# Altium PCB CompleteController.PcbDoc
Units mil, origin at the board's own origin, x right, y up, seen from the top; angles counter-clockwise.
Board outline 9536.38 x 6486.38 mil, 2 copper layers (Top Layer, Bottom Layer); 219 components, 105 nets, 624 pads, 0 vias.
Unrouted connection lines stored in the file: 439.
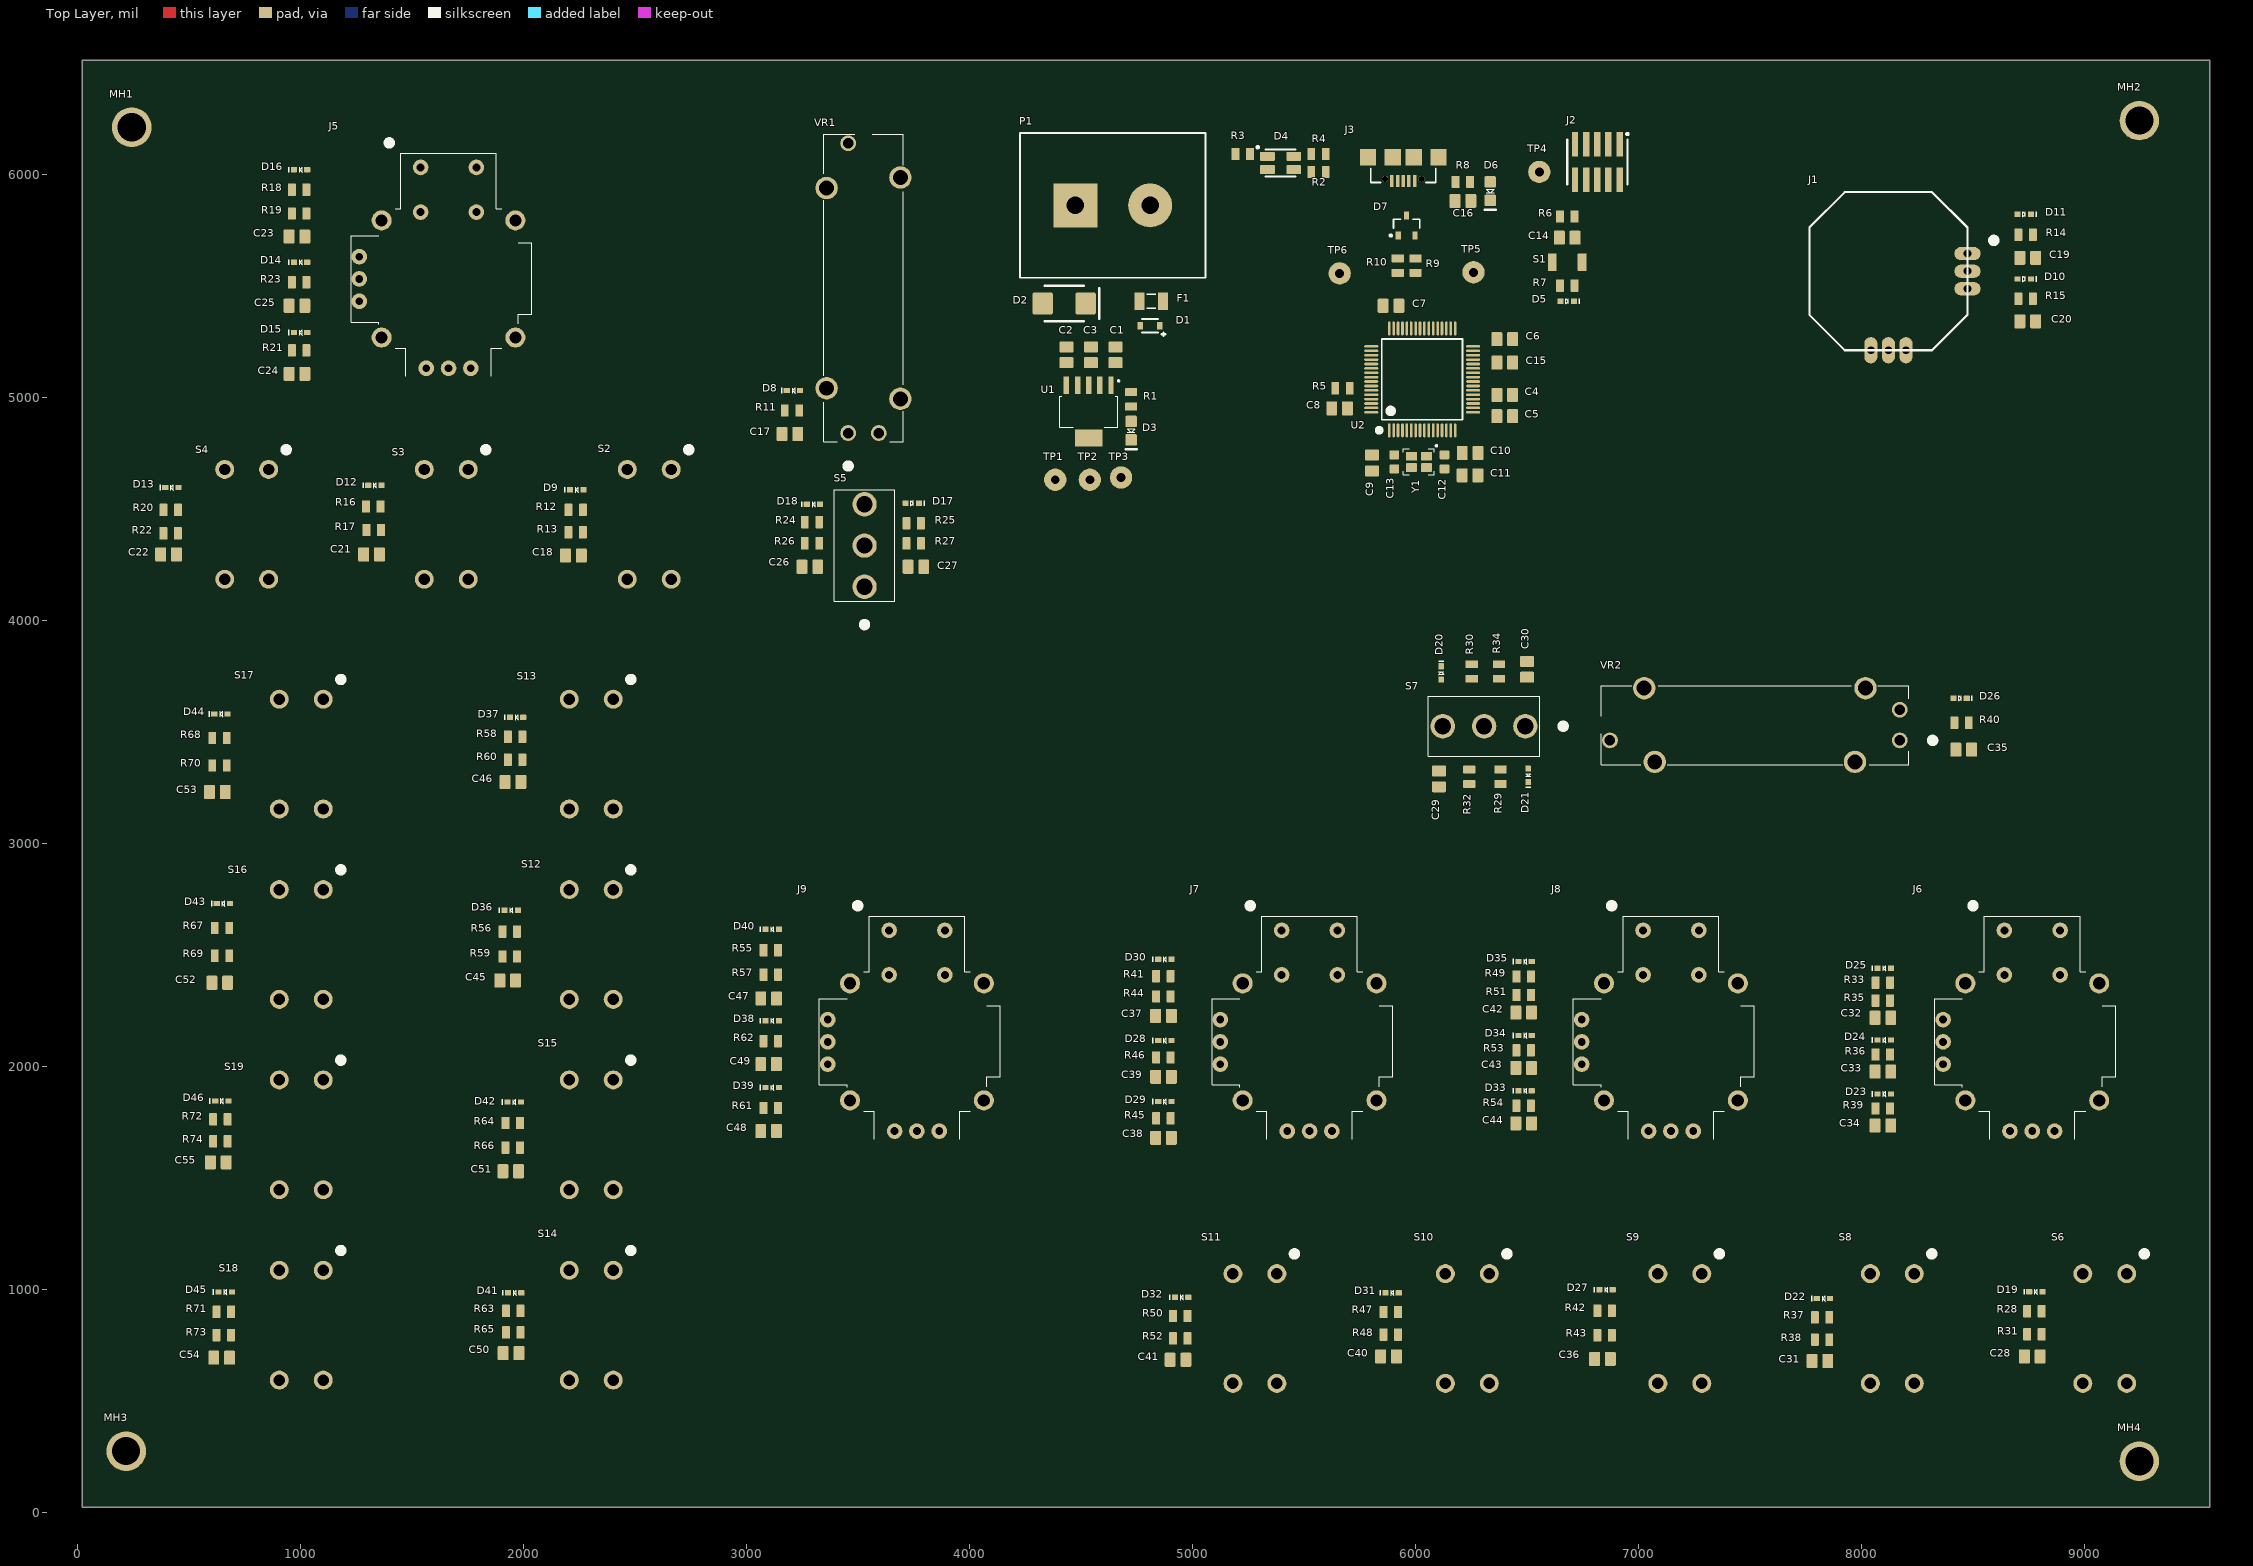
[diagram p0: Top Layer view]
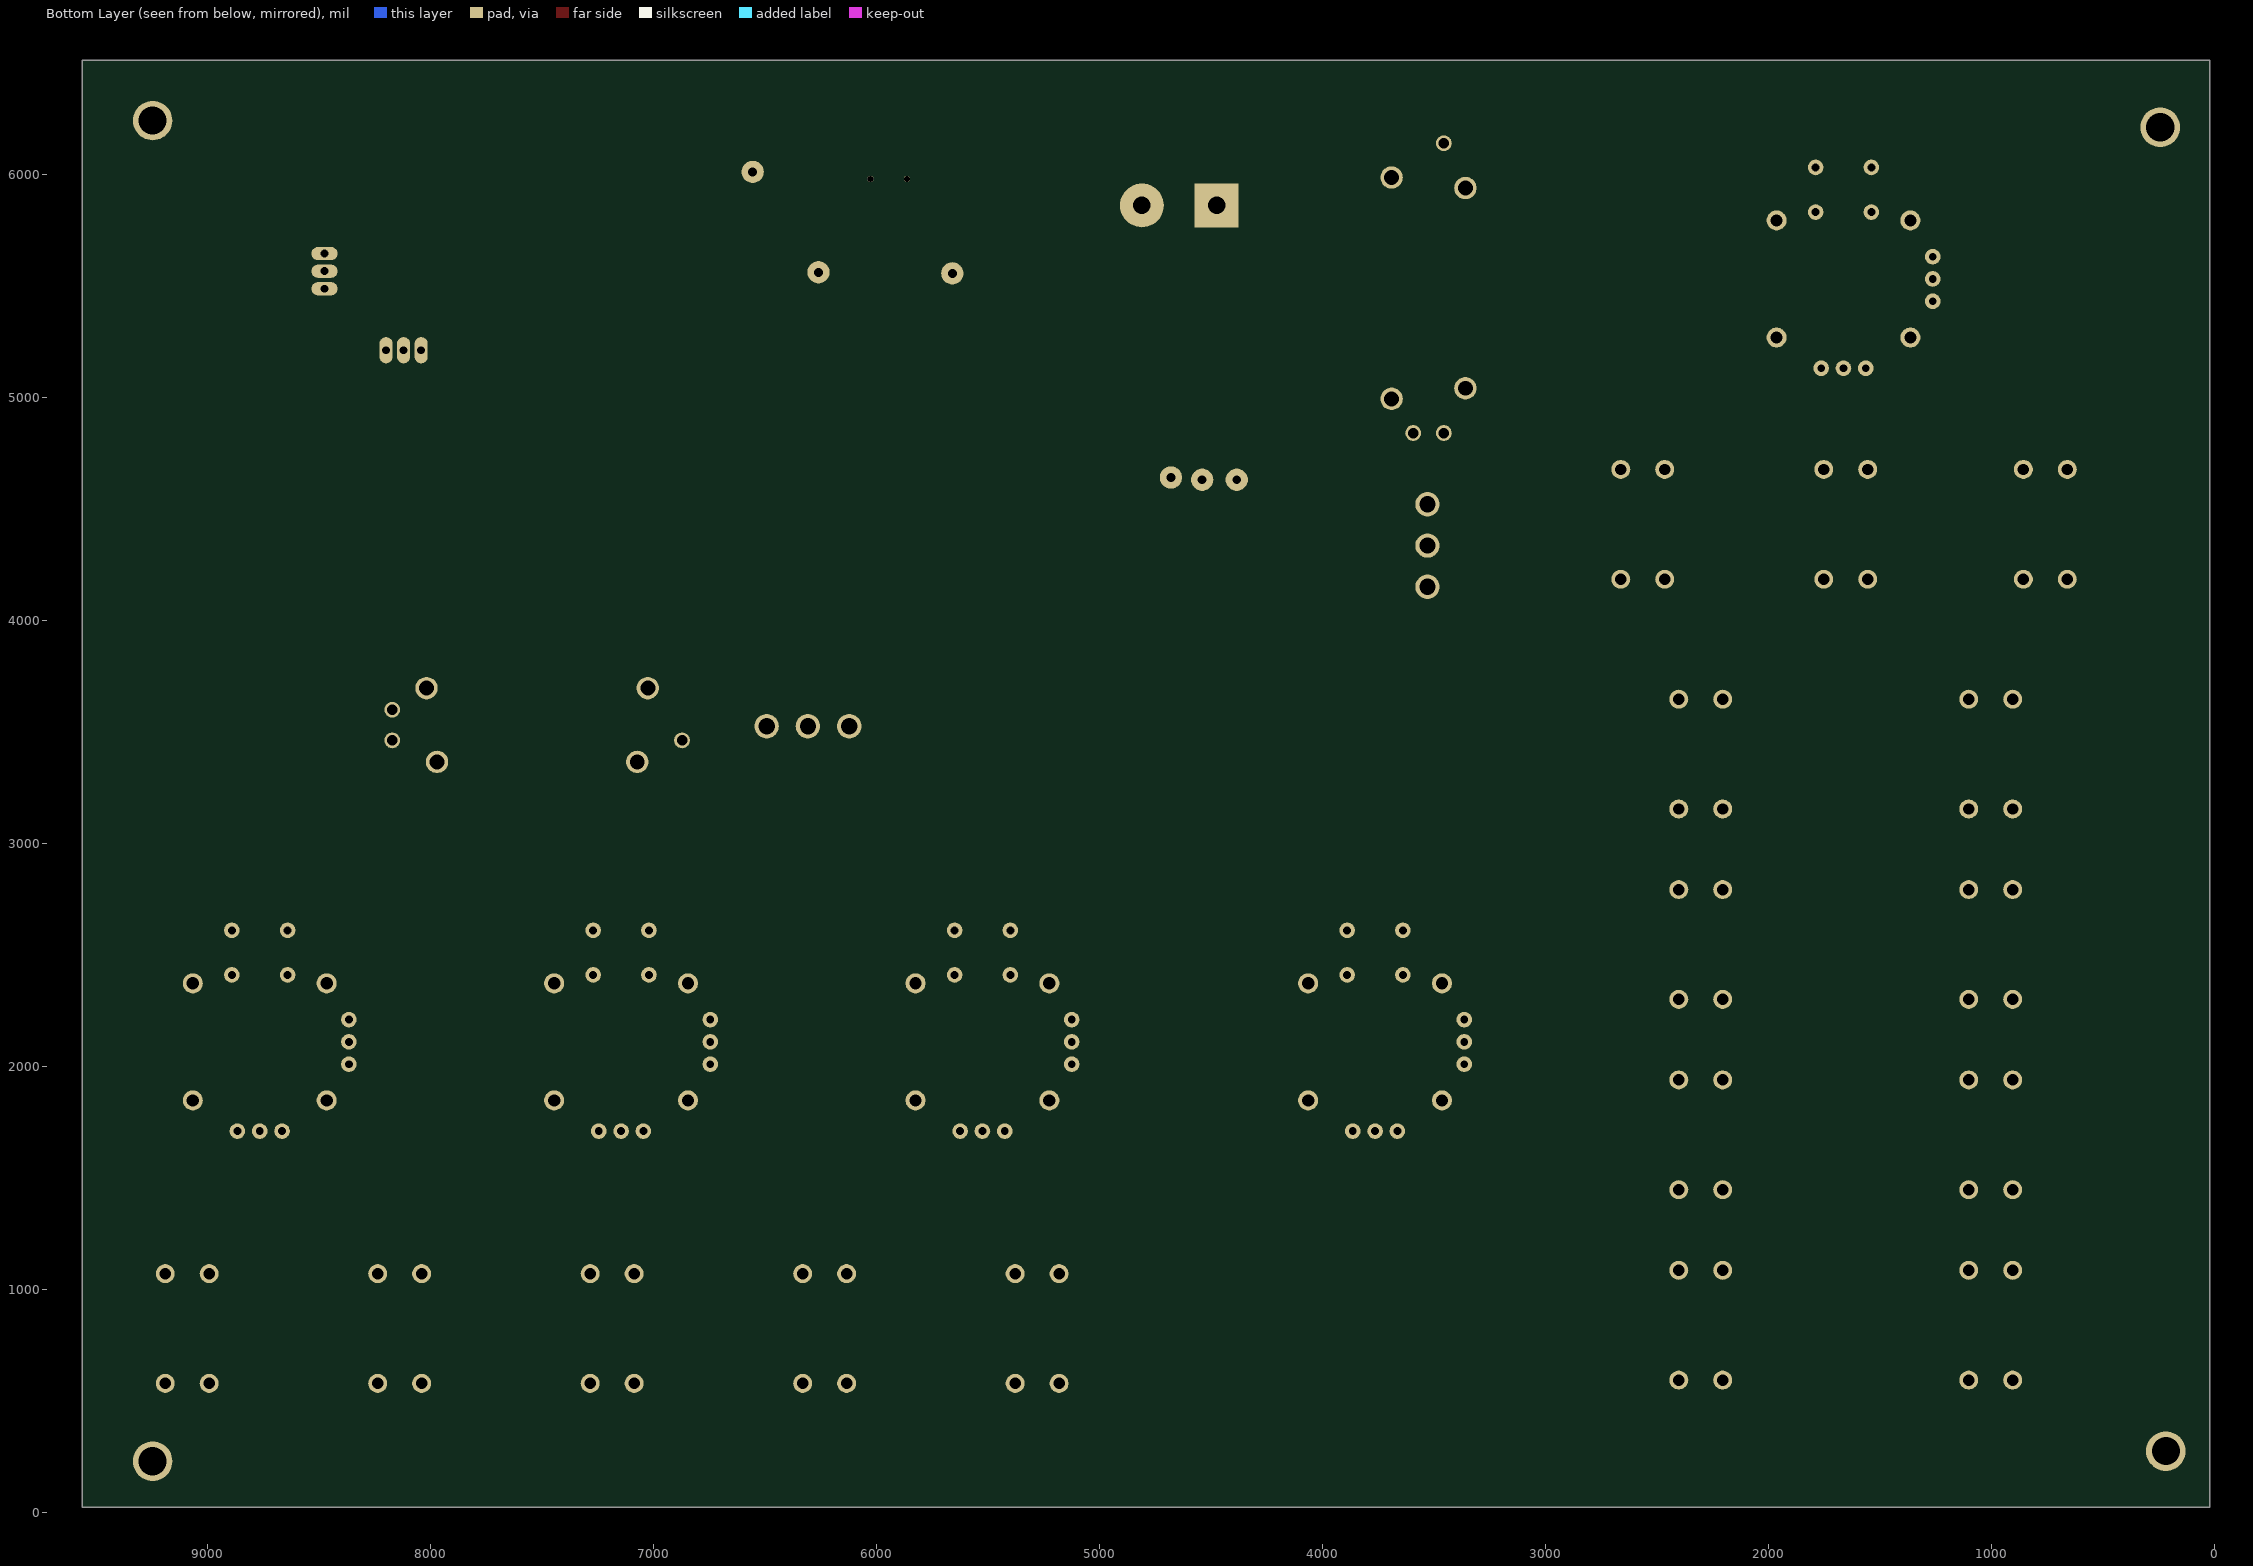
[diagram p1: Bottom Layer view, seen from below]

## Layer stack, top to bottom
Top Solder: solder mask 0.4, Solder Resist, Dk 3.5
Top Layer: signal copper 1.4
Dielectric 1: dielectric 12.6, FR-4, Dk 4.8
Bottom Layer: signal copper 1.4
Bottom Solder: solder mask 0.4, Solder Resist, Dk 3.5

## Board outline
23.62,23.62 23.62,6510 9560,6510 9560,23.62

## Design rules (kind name [scope] priority, off if disabled: settings)
Clearance [All] p1: gap=10 ignorepadtopadclearanceinfootprint=FALSE except(0: Arc-Hole Track-Hole SMDPad-Hole THPad-Hole Via-Hole Fill-Hole Poly-Hole Region-Hole Text-Hole)
DiffPairsRouting [All] p1: maxlimit=10 minlimit=10 mostfreqgap=10 toplayer_minwidth=15 toplayer_maxwidth=15 toplayer_prefwidth=15 bottomlayer_minwidth=15 bottomlayer_maxwidth=15 bottomlayer_prefwidth=15 maxuncoupledlength=500
PolygonConnect [All] p1: connectstyle=Relief reliefconductorwidth=10 reliefentries=4 polygonreliefangle="90 Angle" airgapwidth=10
RoutingVias [All] p1: holewidth=28 width=50 viastyle="Through Hole" minholewidth=28 minwidth=50 maxholewidth=28 maxwidth=50
SolderMaskExpansion [All] p1: expansion=4
Width [All] p1: maxlimit=10 minlimit=10 preferedwidth=10
29 further rules are at their usual default settings.

## Classes and differential pairs
component class "SH6 - SCIENCECONTROLS": C45 C46 C47 C48 C49 C50 C51 C52 C53 C54 C55 D36 D37 D38 D39 D40 D41 D42 D43 D44 D45 D46 J9 R55 R56 R57 R58 R59 R60 R61 R62 R63 R64 R65 R66 R67 R68 R69 R70 R71 R72 R73 R74 S12 S13 S14 S15 S16 S17 S18 S19
component class "SH5 - ARMCONTROLS": C28 C29 C30 C31 C32 C33 C34 C35 C36 C37 C38 C39 C40 C41 C42 C43 C44 D19 D20 D21 D22 D23 D24 D25 D26 D27 D28 D29 D30 D31 D32 D33 D34 D35 J6 J7 J8 R28 R29 R30 R31 R32 R33 R34 R35 R36 R37 R38 R39 R40 R41 R42 R43 R44 R45 R46 R47 R48 R49 R50 R51 R52 R53 R54 S6 S7 S8 S9 S10 S11 VR2
component class "SH4 - GIMBDRIVECONTROLS": C17 C18 C19 C20 C21 C22 C23 C24 C25 C26 C27 D8 D9 D10 D11 D12 D13 D14 D15 D16 D17 D18 J1 J4 J5 R11 R12 R13 R14 R15 R16 R17 R18 R19 R20 R21 R22 R23 R24 R25 R26 R27 S2 S3 S4 S5 VR1
component class "SH3 - USB": C16 D6 D7 J3 R8 R9 R10 TP5 TP6
component class "SH2 - MCU": C4 C5 C6 C7 C8 C9 C10 C11 C12 C13 C14 C15 D4 D5 J2 MH1 MH2 MH3 MH4 R2 R3 R4 R5 R6 R7 S1 TP4 U2 Y1
component class "SH1 - POWER": C1 C2 C3 D1 D2 D3 F1 P1 R1 TP1 TP2 TP3 U1
differential pair USBD: +USBD_P -USBD_N
differential pair USBD_R: +USBD_R_P -USBD_R_N

## Components (designator, comment, footprint, x,y, rotation, side; value= is the part's Value field where it differs from the comment)
C1 "CAP_1uF_50V_0805" CAP2012 4655,5190 r90 top value=1µF
C2 "CAP_0.01uF_100V_0805" CAP2012 4435,5190 r270 top value=0.01µF
C3 "CAP_1uF_50V_0805" CAP2012 4545,5190 r90 top value=1µF
C4 "0.1μF" CAP2012 6400,5010 r180 top value=0.01µF
C5 "0.1μF" CAP2012 6400,4915 r180 top value=0.01µF
C6 "0.1μF" CAP2012 6400,5260 r180 top value=0.01µF
C7 "0.1μF" CAP2012 5890,5410 r180 top value=0.01µF
C8 "CAP_4.7uF_16V_0805" CAP2012 5659.76,4950 r0 top value=4.7µF
C9 "0.1μF" CAP2012 5805,4705 r90 top value=0.01µF
C10 "CAP_0.01uF_100V_0805" CAP2012 6244.76,4750 r0 top value=0.01µF
C11 "CAP_1uF_25V_0805" CAP2012 6244.53,4650 r0 top
C12 "CAP_14pF_50V_0603" CAP0603 6130,4710 r90 top value=14pF
C13 "CAP_14pF_50V_0603" CAP0603 5905,4710 r270 top value=14pF
C14 "CAP_1uF_25V_0805" CAP2012 6679.76,5715 r0 top
C15 "CAP_4.7uF_16V_0805" CAP2012 6400,5155 r180 top value=4.7µF
C16 "CAP_10nF_16V_0805" CAP2012 6212.48,5880 r0 top
C17 "CAP_1uF_16V_0805" CAP2012 3195.35,4835 r180 top value=1µF
C18 "CAP_1uF_16V_0805" CAP2012 2225,4290 r180 top value=1µF
C19 "CAP_1uF_16V_0805" CAP2012 8744.65,5625 r0 top value=1µF
C20 "CAP_1uF_16V_0805" CAP2012 8744.65,5340 r0 top value=1µF
C21 "CAP_1uF_16V_0805" CAP2012 1320,4295 r180 top value=1µF
C22 "CAP_1uF_16V_0805" CAP2012 410,4295 r180 top value=1µF
C23 "CAP_1uF_16V_0805" CAP2012 985.35,5720 r180 top value=1µF
C24 "CAP_1uF_16V_0805" CAP2012 985.35,5105 r180 top value=1µF
C25 "CAP_1uF_16V_0805" CAP2012 985.35,5410 r180 top value=1µF
C26 "CAP_1uF_16V_0805" CAP2012 3285,4240 r180 top value=1µF
C27 "CAP_1uF_16V_0805" CAP2012 3760.24,4240 r0 top value=1µF
C28 "CAP_1uF_16V_0805" CAP2012 8765,700 r0 top value=1µF
C29 "CAP_1uF_16V_0805" CAP2012 6105,3288.86 r270 top value=1µF
C30 "CAP_1uF_16V_0805" CAP2012 6500,3780 r90 top value=1µF
C31 "CAP_1uF_16V_0805" CAP2012 7812.83,679.15 r180 top value=1µF
C32 "CAP_1uF_16V_0805" CAP2012 8095.24,2218.12 r180 top value=1µF
C33 "CAP_1uF_16V_0805" CAP2012 8095.24,1976.56 r180 top value=1µF
C34 "CAP_1uF_16V_0805" CAP2012 8095.24,1735 r180 top value=1µF
C35 "CAP_1uF_16V_0805" CAP2012 8457.52,3420 r0 top value=1µF
C36 "CAP_1uF_16V_0805" CAP2012 6837.83,689.15 r180 top value=1µF
C37 "CAP_1uF_16V_0805" CAP2012 4870.24,2226.46 r180 top value=1µF
C38 "CAP_1uF_16V_0805" CAP2012 4870.24,1680 r180 top value=1µF
C39 "CAP_1uF_16V_0805" CAP2012 4870.24,1953.23 r180 top value=1µF
C40 "CAP_1uF_16V_0805" CAP2012 5878.86,700 r180 top value=1µF
C41 "CAP_1uF_16V_0805" CAP2012 4935.35,685 r180 top value=1µF
C42 "CAP_1uF_16V_0805" CAP2012 6485,2241.46 r180 top value=1µF
C43 "CAP_1uF_16V_0805" CAP2012 6485,1993.23 r180 top value=1µF
C44 "CAP_1uF_16V_0805" CAP2012 6485,1745 r180 top value=1µF
C45 "CAP_1uF_16V_0805" CAP2012 1930.24,2385 r180 top value=1µF
C46 "CAP_1uF_16V_0805" CAP2012 1953.86,3275 r180 top value=1µF
C47 "CAP_1uF_16V_0805" CAP2012 3100,2305 r180 top value=1µF
C48 "CAP_1uF_16V_0805" CAP2012 3100,1710 r180 top value=1µF
C49 "CAP_1uF_16V_0805" CAP2012 3100,2010 r180 top value=1µF
C50 "CAP_1uF_16V_0805" CAP2012 1945.24,715 r180 top value=1µF
C51 "CAP_1uF_16V_0805" CAP2012 1943.86,1530 r0 top value=1µF
C52 "CAP_1uF_16V_0805" CAP2012 639.76,2375 r180 top value=1µF
C53 "CAP_1uF_16V_0805" CAP2012 628.86,3230 r180 top value=1µF
C54 "CAP_1uF_16V_0805" CAP2012 647.87,694.15 r180 top value=1µF
C55 "CAP_1uF_16V_0805" CAP2012 632.83,1570 r180 top value=1µF
D1 "DIO_SCHOTTKY_30V_800mA" SOD-323_UNIDIR 4810,5320 r180 top
D2 "TVS_DIODE_UNIDIR_5V" SMBJ5.0A 4425,5420 r180 top
D3 "LG R971-KN-1" LED_0805_GREEN 4725,4850 r270 top
D4 "LED_RGB" LED_RGB 5395,6050 r270 top
D5 "TVS_DIODE_UNIDIR_3.3V" SOD523 6679.92,5430 r0 top
D6 "LY R976-PS-36" LED_0805_YELLOW 6334.96,5923.66 r270 top
D7 "TVS_DIODE_USB_5.5V" SOT23-3 5960,5770 r90 top
D8 "TVS_DIODE_UNIDIR_3.3V" SOD523 3211.5,5030 r180 top
D9 "TVS_DIODE_UNIDIR_3.3V" SOD523 2240,4585 r180 top
D10 "TVS_DIODE_UNIDIR_3.3V" SOD523 8728.5,5530 r0 top
D11 "TVS_DIODE_UNIDIR_3.3V" SOD523 8728.5,5820 r0 top
D12 "TVS_DIODE_UNIDIR_3.3V" SOD523 1335,4605 r180 top
D13 "TVS_DIODE_UNIDIR_3.3V" SOD523 425,4595 r180 top
D14 "TVS_DIODE_UNIDIR_3.3V" SOD523 1001.5,5605 r180 top
D15 "TVS_DIODE_UNIDIR_3.3V" SOD523 1001.5,5290 r180 top
D16 "TVS_DIODE_UNIDIR_3.3V" SOD523 1001.5,6020 r180 top
D17 "TVS_DIODE_UNIDIR_3.3V" SOD523 3744.09,4525 r0 top
D18 "TVS_DIODE_UNIDIR_3.3V" SOD523 3301.14,4520 r180 top
D19 "TVS_DIODE_UNIDIR_3.3V" SOD523 8781.14,990 r180 top
D20 "TVS_DIODE_UNIDIR_3.3V" SOD523 6115,3763.86 r90 top
D21 "TVS_DIODE_UNIDIR_3.3V" SOD523 6505,3305 r270 top
D22 "TVS_DIODE_UNIDIR_3.3V" SOD523 7828.98,959.15 r180 top
D23 "TVS_DIODE_UNIDIR_3.3V" SOD523 8101.38,1876.36 r180 top
D24 "TVS_DIODE_UNIDIR_3.3V" SOD523 8101.38,2117.92 r180 top
D25 "TVS_DIODE_UNIDIR_3.3V" SOD523 8101.38,2440 r180 top
D26 "TVS_DIODE_UNIDIR_3.3V" SOD523 8441.38,3650 r0 top
D27 "TVS_DIODE_UNIDIR_3.3V" SOD523 6853.98,999.15 r180 top
D28 "TVS_DIODE_UNIDIR_3.3V" SOD523 4876.38,2115.7 r180 top
D29 "TVS_DIODE_UNIDIR_3.3V" SOD523 4876.38,1842.47 r180 top
D30 "TVS_DIODE_UNIDIR_3.3V" SOD523 4876.38,2480 r180 top
D31 "TVS_DIODE_UNIDIR_3.3V" SOD523 5895,985 r180 top
D32 "TVS_DIODE_UNIDIR_3.3V" SOD523 4951.5,965 r180 top
D33 "TVS_DIODE_UNIDIR_3.3V" SOD523 6491.14,1890.8 r180 top
D34 "TVS_DIODE_UNIDIR_3.3V" SOD523 6491.14,2139.03 r180 top
D35 "TVS_DIODE_UNIDIR_3.3V" SOD523 6491.14,2470 r180 top
D36 "TVS_DIODE_UNIDIR_3.3V" SOD523 1946.38,2700 r180 top
D37 "TVS_DIODE_UNIDIR_3.3V" SOD523 1970,3565 r180 top
D38 "TVS_DIODE_UNIDIR_3.3V" SOD523 3116.14,2205 r180 top
D39 "TVS_DIODE_UNIDIR_3.3V" SOD523 3116.14,1905 r180 top
D40 "TVS_DIODE_UNIDIR_3.3V" SOD523 3116.14,2615 r180 top
D41 "TVS_DIODE_UNIDIR_3.3V" SOD523 1961.38,985 r180 top
D42 "TVS_DIODE_UNIDIR_3.3V" SOD523 1960,1840 r180 top
D43 "TVS_DIODE_UNIDIR_3.3V" SOD523 655.91,2730 r180 top
D44 "TVS_DIODE_UNIDIR_3.3V" SOD523 645,3580 r180 top
D45 "TVS_DIODE_UNIDIR_3.3V" SOD523 664.02,989.15 r180 top
D46 "TVS_DIODE_UNIDIR_3.3V" SOD523 648.98,1845 r180 top
F1 "FUSE_1.25A_1206" FUSE_1206 4815,5430 r0 top
J1 "2_AXIS_JOYSTICK_SMALL" 2_AXIS_JOYSTICK_SMALL 8120,5565 r0 top
J2 "CON_PROGRAMMING" FTSH-105-01-F-DV-K-P-TR 6815,6055 r180 top
J3 "629105136821" 629105136821 5945,6075 r180 top
J5 "2_AXIS_JOYSTICK" 2_AXIS_JOYSTICK 1665,5530 r0 top
J6 "2_AXIS_JOYSTICK" 2_AXIS_JOYSTICK 8765,2110 r0 top
J7 "2_AXIS_JOYSTICK" 2_AXIS_JOYSTICK 5525,2110 r0 top
J8 "2_AXIS_JOYSTICK" 2_AXIS_JOYSTICK 7145,2110 r0 top
J9 "2_AXIS_JOYSTICK" 2_AXIS_JOYSTICK 3765,2110 r0 top
MH1 "MOUNTING_HOLE_M3" MOUNTING_HOLE_3mm 245,6210 r0 top
MH2 "MOUNTING_HOLE_M3" MOUNTING_HOLE_3mm 9245,6240 r0 top
MH3 "MOUNTING_HOLES" MOUNTING_HOLE_3mm 220,275 r0 top
MH4 "MOUNTING_HOLE_M3" MOUNTING_HOLE_3mm 9245,230 r0 top
P1 "TERMINAL_2" OSTYK51102030 4642.68,5860 r0 top
R1 "240" RESC0805 4725,4990 r90 top
R2 "RES_20Ω_0805_1%" RESC0805 5565,6010 r0 top value=20O
R3 "RES_100Ω_0805" RESC0805 5225,6090 r0 top value=100O
R4 "RES_20Ω_0805_1%" RESC0805 5565,6090 r0 top value=20O
R5 "RES_10kΩ_0805_5%" RESC0805 5672.52,5040 r180 top value=10kO
R6 "RES_10kΩ_0805_5%" RESC0805 6680,5810 r180 top value=10kO
R7 "RES_10kΩ_0805_5%" RESC0805 6680,5500 r180 top value=10kO
R8 "RES_1kΩ_0805_1%" RESC0805 6212.48,5965 r180 top
R9 "RES_27Ω_0805" RESC0805 6000,5590 r270 top
R10 "RES_27Ω_0805" RESC0805 5920,5590 r270 top
R11 "RES_10kΩ_0805_5%" RESC0805 3205,4940 r180 top value=10kO
R12 "RES_10kΩ_0805_5%" RESC0805 2235,4495 r0 top value=10kO
R13 "RES_10kΩ_0805_5%" RESC0805 2234.65,4395 r180 top value=10kO
R14 "RES_10kΩ_0805_5%" RESC0805 8735,5728.41 r0 top value=10kO
R15 "RES_10kΩ_0805_5%" RESC0805 8735,5440.91 r0 top value=10kO
R16 "RES_10kΩ_0805_5%" RESC0805 1327.52,4510 r180 top value=10kO
R17 "RES_10kΩ_0805_5%" RESC0805 1329.65,4405 r180 top value=10kO
R18 "RES_10kΩ_0805_5%" RESC0805 995,5930 r0 top value=10kO
R19 "RES_10kΩ_0805_5%" RESC0805 995,5823.43 r180 top value=10kO
R20 "RES_10kΩ_0805_5%" RESC0805 420,4495 r0 top value=10kO
R21 "RES_10kΩ_0805_5%" RESC0805 995,5210 r180 top value=10kO
R22 "RES_10kΩ_0805_5%" RESC0805 419.65,4390 r180 top value=10kO
R23 "RES_10kΩ_0805_5%" RESC0805 995,5515 r180 top value=10kO
R24 "RES_10kΩ_0805_5%" RESC0805 3294.65,4440 r0 top value=10kO
R25 "RES_10kΩ_0805_5%" RESC0805 3750.59,4435 r180 top value=10kO
R26 "RES_10kΩ_0805_5%" RESC0805 3294.65,4345 r180 top value=10kO
R27 "RES_10kΩ_0805_5%" RESC0805 3750.59,4345 r0 top value=10kO
R28 "RES_10kΩ_0805_5%" RESC0805 8774.65,902.52 r0 top value=10kO
R29 "RES_10kΩ_0805_5%" RESC0805 6380.85,3298.5 r90 top value=10kO
R30 "RES_10kΩ_0805_5%" RESC0805 6252.52,3770.35 r270 top value=10kO
R31 "RES_10kΩ_0805_5%" RESC0805 8774.65,799.29 r0 top value=10kO
R32 "RES_10kΩ_0805_5%" RESC0805 6240.96,3298.5 r270 top value=10kO
R33 "RES_10kΩ_0805_5%" RESC0805 8094.88,2375.23 r0 top value=10kO
R34 "RES_10kΩ_0805_5%" RESC0805 6374.29,3770.35 r90 top value=10kO
R35 "RES_10kΩ_0805_5%" RESC0805 8094.88,2294.71 r180 top value=10kO
R36 "RES_10kΩ_0805_5%" RESC0805 8094.88,2053.14 r180 top value=10kO
R37 "RES_10kΩ_0805_5%" RESC0805 7822.48,875 r0 top value=10kO
R38 "RES_10kΩ_0805_5%" RESC0805 7822.48,775.11 r180 top value=10kO
R39 "RES_10kΩ_0805_5%" RESC0805 8094.88,1811.58 r180 top value=10kO
R40 "RES_10kΩ_0805_5%" RESC0805 8447.87,3540.91 r0 top value=10kO
R41 "RES_10kΩ_0805_5%" RESC0805 4869.88,2404.67 r0 top value=10kO
R42 "RES_10kΩ_0805_5%" RESC0805 6847.48,905 r180 top value=10kO
R43 "RES_10kΩ_0805_5%" RESC0805 6847.48,795.11 r180 top value=10kO
R44 "RES_10kΩ_0805_5%" RESC0805 4869.88,2313.6 r180 top value=10kO
R45 "RES_10kΩ_0805_5%" RESC0805 4869.88,1767.14 r180 top value=10kO
R46 "RES_10kΩ_0805_5%" RESC0805 4869.88,2040.37 r180 top value=10kO
R47 "RES_10kΩ_0805_5%" RESC0805 5888.5,899.19 r0 top value=10kO